# Altium PCB ALCT_MEZ_LX100.PcbDoc (part 8 of 10) (continued)
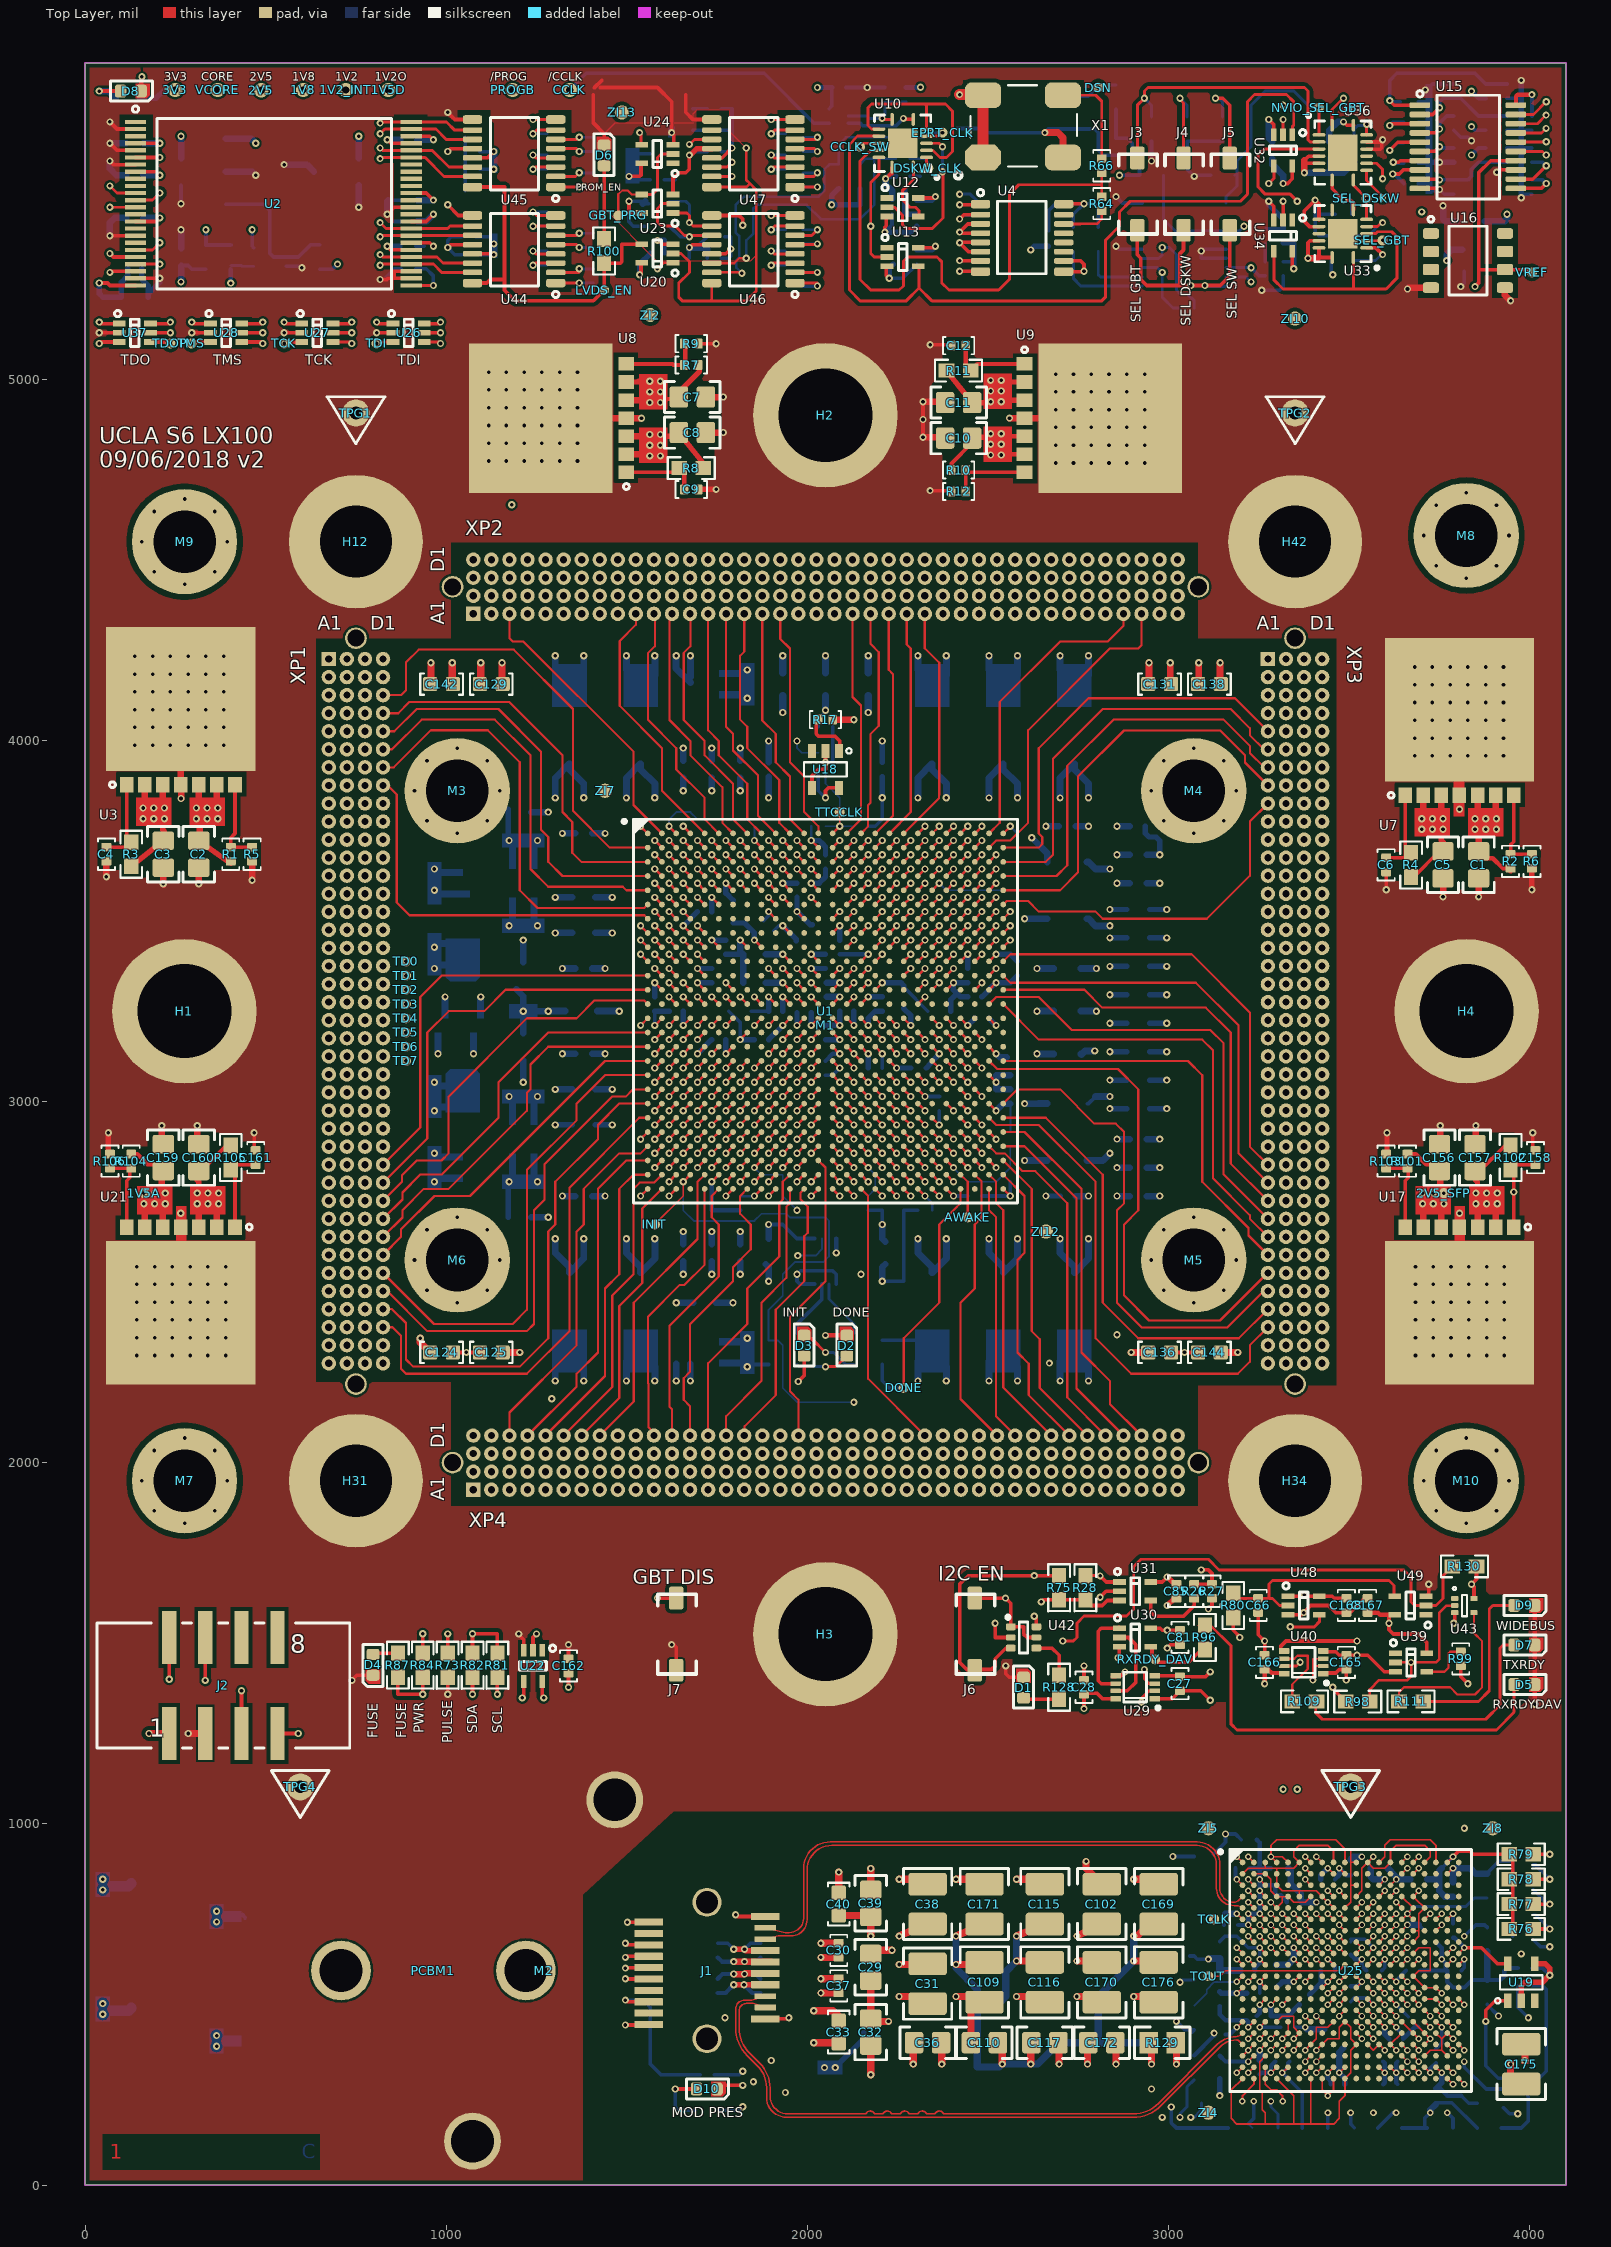
[diagram p0: Top Layer view]
## Nets (pads, with @x,y where several pads share a name; then routed paths per layer and width w, separated by ;. In a path a pad name is that pad's centre, name@x,y a point inside that pad or via, vN(x,y) a via of type N, cw(c..) or ccw(c..) an arc to the next point about the centre after c; other vN are vias at no path point) (continued)
  Mid-Layer 6 w5: XP3.B7@1375,1975 1401,2001 1401,2014.35 1400.5,2014.85 1400.5,2265.85 1626.77,2492.13 1626.77,2531.5 1715.35,2620.08 1715.35,2875.98 v1(1695.67,2895.67)
XP3B_8: U1.AB7 XP3.B8 | length 1116.3
  Top Layer w7: v1(1774.41,2895.67) U1.AB7@1794.09,2915.35
  Mid-Layer 6 w5: XP3.B8@1425,1975 1450.5,2000.5 1450.5,2237.11 1616.93,2403.54 1656.3,2403.54 1754.72,2501.97 1754.72,2875.98 v1(1774.41,2895.67)
XP3B_9: U1.AA7 XP3.B9 | length 1128.2
  Top Layer w7: v1(1774.41,2935.04) U1.AA7@1794.09,2954.72
  Mid-Layer 6 w5: XP3.B9@1475,1975 1500.5,2000.5 1500.5,2196.85 1538.19,2234.54 1538.19,2246.06 1794.09,2501.97 1794.09,2915.35 v1(1774.41,2935.04)
XP3B_10: U1.AB9 XP3.B10 | length 1087.8
  Top Layer w7: v1(1853.15,2895.67) U1.AB9@1872.83,2915.35
  Mid-Layer 6 w5: XP3.B10@1525,1975 1549.5,1999.5 1549.5,2158.95 1618.61,2228.06 1618.61,2233.83 1689.9,2305.12 1695.67,2305.12 1833.46,2442.91 1833.46,2875.98 v1(1853.15,2895.67)
XP3B_11: U1.W11 XP3.B11 | length 1369.1
  Top Layer w7: v1(1931.89,3013.78) U1.W11@1951.57,3033.46
  Mid-Layer 8 w5: XP3.B11@1575,1975 1600,2000 1600,2170.08 1616.93,2187.01 1616.93,2383.86 1656.3,2423.23 1892.52,2423.23 1931.89,2462.6 1931.89,2639.76 1951.57,2659.45 1951.57,2994.09 v1(1931.89,3013.78)
XP3B_12: U1.AA9 XP3.B12 | length 1098.7
  Top Layer w7: v1(1853.15,2935.04) U1.AA9@1872.83,2954.72
  Mid-Layer 6 w5: XP3.B12@1625,1975 1650,2000 1650,2141.34 1705.51,2196.85 1705.51,2255.91 1872.83,2423.23 1872.83,2915.35 v1(1853.15,2935.04)
XP3B_13: U1.AB6 XP3.B13 | length 994.1
  Top Layer w7: v1(1735.04,2895.67) U1.AB6@1754.72,2915.35
  Mid-Layer 4 w5: XP3.B13@1675,1975 1650,2000 1650,2125 1657.98,2132.98 1657.98,2438.83 1715.35,2496.2 1715.35,2875.98 v1(1735.04,2895.67)
XP3B_14: U1.AA11 XP3.B14 | length 1073.6
  Top Layer w7: v1(1931.89,2935.04) U1.AA11@1951.57,2954.72
  Mid-Layer 6 w5: XP3.B14@1725,1975 1750,2000 1750,2221.65 1912.2,2383.86 1912.2,2915.35 v1(1931.89,2935.04)
XP3B_15: U1.AB8 XP3.B15 | length 985.3
  Top Layer w7: v1(1813.78,2895.67) U1.AB8@1833.46,2915.35
  Mid-Layer 4 w5: XP3.B15@1775,1975 1750,2000 1750,2438.19 1794.09,2482.28 1794.09,2875.98 v1(1813.78,2895.67)
XP3B_16: U1.AD11 XP3.B16 | length 914
  Top Layer w7: v1(1931.89,2816.93) U1.AD11@1951.57,2836.61
  Mid-Layer 2 w5: XP3.B16@1825,1975 1850.5,2000.5 1850.5,2135.15 1912.2,2196.85 1912.2,2797.24 v1(1931.89,2816.93)
XP3B_17: U1.V13 XP3.B17 | length 1185.2
  Top Layer w7: v1(2010.63,3053.15) U1.V13@2030.31,3072.83
  Mid-Layer 2 w5: XP3.B17@1875,1975 1900,2000 1900,2125.59 1931.89,2157.48 1931.89,2718.5 1951.57,2738.19 1951.57,3021.93 1951.57,3033.46 1979.41,3033.46 1990.94,3033.46 v1(2010.63,3053.15)
XP3B_18: U1.AD9 XP3.B18 | length 972.4
  Top Layer w7: v1(1853.15,2816.93) U1.AD9@1872.83,2836.61
  Mid-Layer 2 w5: XP3.B18@1925,1975 1950.5,2000.5 1950.5,2678.06 v3(1971.26,2698.82)
  Bottom Layer w5: v1(1853.15,2816.93) 1872.83,2797.24 1931.89,2797.24 1931.89,2738.19 v3(1971.26,2698.82)
XP3B_19: U1.AC12 XP3.B19 | length 928.3
  Top Layer w7: v1(1971.26,2856.3) U1.AC12@1990.94,2875.98
  Mid-Layer 4 w5: v1(1971.26,2856.3) 1951.57,2836.61 1951.57,2187.01 1950,2185.43 1950,2000 XP3.B19@1975,1975
XP3B_22: U1.U12 XP3.B22 | length 1248.4
  Top Layer w7: v1(1971.26,3092.52) U1.U12@1990.94,3112.2
  Mid-Layer 4 w5: v1(1971.26,3092.52) 1990.94,3072.83 2030.32,3072.83 2050,3053.15 2050,2610.24 2030.32,2590.55 2030.32,2453.54 2100,2383.86 2100,2000 XP3.B22@2125,1975
XP3B_23: U1.U13 XP3.B23 | length 1250.5
  Top Layer w7: v1(2010.63,3092.52) U1.U13@2030.31,3112.2
  Mid-Layer 2 w5: v1(2010.63,3092.52) 2030.32,3072.83 2030.32,2669.29 2010.63,2649.61 2010.63,2442.91 2200,2253.54 2200,2000 XP3.B23@2175,1975
XP3B_24: U1.V7 XP3.B24 | length 1528
  Top Layer w7: v1(1774.41,3053.15) U1.V7@1794.09,3072.83
  Mid-Layer 10 w5: v1(1774.41,3053.15) 1754.72,3033.46 1754.72,2226.38 1774.41,2206.69 2148.43,2206.69 2199.5,2155.62 2199.5,2000.5 XP3.B24@2225,1975
XP3B_25: U1.W14 XP3.B25 | length 1204
  Top Layer w7: U1.W14@2069.68,3033.46 v1(2089.37,3013.78)
  Mid-Layer 8 w5: v1(2089.37,3013.78) 2069.68,3013.78 2050,2994.09 2050,2610.24 2030.32,2590.55 2030.32,2501.97 2109.06,2423.23 2109.06,2305.12 2250,2164.17 2250,2000 XP3.B25@2275,1975
XP3B_26: U1.V18 XP3.B26 | length 1176.3
  Top Layer w7: U1.V18@2227.17,3072.83 v1(2246.85,3053.15)
  Mid-Layer 4 w5: v1(2246.85,3053.15) 2227.17,3033.46 2227.17,2698.82 2246.85,2679.13 2246.85,2403.54 2325.59,2324.8 2325.59,2147.64 2299.5,2121.55 2299.5,2000.5 XP3.B26@2325,1975
XP3B_27: U1.W19 XP3.B27 | length 1119.5
  Top Layer w7: U1.W19@2266.54,3033.46 v1(2286.22,3013.78)
  Mid-Layer 4 w5: v1(2286.22,3013.78) 2266.72,2994.28 2266.72,2659.45 2268.22,2657.95 2268.22,2455.14 2349.5,2373.86 2349.5,2000.5 XP3.B27@2375,1975
XP3B_28: U1.AB22 XP3.B28 | length 989.5
  Top Layer w7: U1.AB22@2384.65,2915.35 v1(2404.33,2895.67)
  Mid-Layer 4 w5: v1(2404.33,2895.67) 2384.65,2875.98 2384.65,2645.53 2402.65,2627.53 2402.65,2602.08 2386.33,2585.76 2386.33,2447.43 2399.5,2434.26 2399.5,2255.91 2402.65,2252.76 2402.65,2215.78 2399.5,2212.63 2399.5,2000.5 XP3.B28@2425,1975
XP3B_29: U1.AA23 XP3.B29 | length 1015.8
  Top Layer w7: U1.AA23@2424.02,2954.72 v1(2443.7,2935.04)
  Mid-Layer 4 w5: v1(2443.7,2935.04) 2463.39,2915.35 2463.39,2482.28 2445.39,2464.28 2445.39,2292.18 2449.5,2288.07 2449.5,2000.5 XP3.B29@2475,1975
XP3B_30: U1.AA14 XP3.B30 | length 2219.5
  Top Layer w7: U1.AA14@2069.68,2954.72 v1(2089.37,2935.04)
  Mid-Layer 6 w5: XP3.B30@2525,1975 2550,1950 2550,1875 2574.61,1850.39 2923.17,1850.39 2950,1877.23 2950,2100 2774.41,2275.59 v1(2670.08,2275.59)
  Mid-Layer 10 w5: v1(2089.37,2935.04) 2069.69,2915.35 2069.69,2628.1 2156.44,2541.34 2266.54,2541.34 2296.06,2511.81 2473.23,2511.81 2670.08,2314.96 v1(2670.08,2275.59)
XP3B_31: U1.V22 XP3.B31 | length 1318.5
  Top Layer w7: U1.V22@2384.65,3072.83 v1(2404.33,3053.15)
  Mid-Layer 4 w5: v1(2404.33,3053.15) 2424.02,3033.46 2601.18,3033.46 2620.87,3013.78 2620.87,2216.54 2600,2195.67 2600,2000 XP3.B31@2575,1975
XP3B_32: U1.Y15 XP3.B32 | length 2139.9
  Top Layer w7: U1.Y15@2109.05,2994.09 v1(2128.74,2974.41)
  Mid-Layer 4 w5: XP3.B32@2625,1975 2600,1950 2600,1868.44 2618.05,1850.39 2873.96,1850.39 2900,1876.44 2900,2124.41 2857.09,2167.32 v1(2857.09,2354.33)
  Mid-Layer 8 w5: v1(2128.74,2974.41) 2148.43,2954.72 2148.43,2915.35 2591.34,2915.35 2650.39,2856.3 2650.39,2826.77 2679.92,2797.24 2679.92,2531.5 v1(2857.09,2354.33)
XP3B_33: U1.V11 XP3.B33 | length 1670.6
  Top Layer w7: v1(1931.89,3053.15) U1.V11@1951.57,3072.83
  Mid-Layer 10 w5: v1(1931.89,3053.15) 1951.57,3033.46 1951.57,2482.28 2010.63,2423.23 2266.54,2423.23 2404.33,2285.43 2551.97,2285.43 2699.61,2137.8 2699.61,1999.61 XP3.B33@2675,1975
XP3B_34: U1.V19 XP3.B34 | length 1792.1
  Top Layer w7: U1.V19@2266.54,3072.83 v1(2286.22,3053.15)
  Mid-Layer 4 w5: v1(2286.22,3053.15) 2305.91,3072.83 2660.24,3072.83 2679.92,3053.15 2679.92,2433.07 2640.55,2393.7 2640.55,2246.06 2679.92,2206.69 2679.92,2129.92 2650,2100 2650,1901 2676,1875 2700,1899 2700,1950 XP3.B34@2725,1975
XP3B_35: U1.R19 XP3.B35 | length 1711.1
  Top Layer w7: U1.R19@2266.54,3190.94 v1(2286.22,3171.26)
  Mid-Layer 4 w5: v1(2286.22,3171.26) 2305.91,3190.95 2689.76,3190.95 2799.5,3081.21 2799.5,2129.42 2799.5,1999.5 XP3.B35@2775,1975
XP3B_36: U1.L20 XP3.B36 | length 1867.8
  Top Layer w7: U1.L20@2305.91,3348.42 v1(2325.59,3368.11)
  Mid-Layer 4 w5: v1(2325.59,3368.11) 2325.96,3368.11 2345.46,3348.61 2345.46,3269.5 2364.96,3250 2542.13,3250 2561.81,3230.32 2758.66,3230.32 2817.72,3171.26 2817.72,2708.66 2837.4,2688.98 2837.4,2133.46 2850,2120.87 2850,2000 XP3.B36@2825,1975
XP3B_37: U1.AA24 XP3.B37 | length 1206
  Top Layer w7: U1.AA24@2463.39,2954.72 v1(2483.07,2935.04)
  Mid-Layer 2 w5: v1(2483.07,2935.04) 2522.44,2935.04 2571.65,2885.83 2571.65,2767.72 2601.18,2738.19 2601.18,2679.13 2630.71,2649.61 2630.71,2610.24 2914.46,2326.49 2914.46,2254.22 2899.5,2239.26 2899.5,1999.5 XP3.B37@2875,1975
XP3B_38: U1.V23 XP3.B38 | length 1882
  Top Layer w7: U1.V23@2424.02,3072.83 v1(2443.7,3053.15)
  Mid-Layer 2 w5: v1(2443.7,3053.15) 2463.39,3072.83 2551.97,3072.83 2689.76,2935.04 2689.76,2797.24 2689.76,2679.13 2719.29,2649.61 2719.29,2600.39 2985.04,2334.65 2985.04,2265.75 3129.92,2120.87 3129.92,1880.12 3110.24,1860.43 2962.6,1860.43 2950,1873.03 2950,1950 XP3.B38@2925,1975
XP3C_3: U1.AB3 XP3.C3 | length 1272.2
  Top Layer w7: v1(1616.93,2895.67) U1.AB3@1636.61,2915.35
  Mid-Layer 4 w5: XP3.C3@1175,2025 1200,2050 1200,2153.94 1301.97,2255.91 1410.24,2255.91 1479.13,2324.8 1479.13,2433.07 1557.87,2511.81 1557.87,2732.42 ; 1557.87,2836.61 1557.87,2732.42 ; v1(1616.93,2895.67) 1597.24,2875.98 1557.87,2875.98 1557.87,2732.42
XP3C_4: U1.Y3 XP3.C4 | length 1271.1
  Top Layer w7: v1(1616.93,2974.41) U1.Y3@1636.61,2994.09
  Mid-Layer 2 w5: XP3.C4@1225,2025 1250.5,2050.5 1250.5,2735.93 1272.44,2757.87 1272.44,2826.77 1439.58,2993.91 1597.43,2993.91 v1(1616.93,2974.41)
XP3C_5: U1.U5 XP3.C5 | length 1424
  Top Layer w7: v1(1695.67,3092.52) U1.U5@1715.35,3112.2
  Mid-Layer 2 w5: XP3.C5@1275,2025 1299.5,2049.5 1299.5,2135.33 1319.97,2155.8 1319.97,2267.43 1283.97,2303.43 1283.97,2655.36 1303.65,2675.05 1303.65,2806.82 1451.37,2954.54 1664.01,2954.54 1676.17,2966.7 1676.17,3073.02 v1(1695.67,3092.52)
XP3C_6: U1.AA4 XP3.C6 | length 1174
  Top Layer w7: v1(1656.3,2935.04) U1.AA4@1675.98,2954.72
  Mid-Layer 2 w5: XP3.C6@1325,2025 1350,2050 1350,2190.85 1342.02,2198.82 1342.02,2778.24 1479.13,2915.35 1636.61,2915.35 v1(1656.3,2935.04)
XP3C_7: U1.AC3 XP3.C7 | length 998.7
  Top Layer w7: v1(1616.93,2856.3) U1.AC3@1636.61,2875.98
  Mid-Layer 4 w5: XP3.C7@1375,2025 1400,2050 1400,2088.19 1518.5,2206.69 1518.5,2413.39 1597.24,2492.13 1597.24,2639.76 ; 1597.24,2679.13 1597.24,2639.76 ; v1(1616.93,2856.3) 1597.24,2836.61 1597.24,2639.76
XP3C_8: U1.AC5 XP3.C8 | length 1134.5
  Top Layer w7: v1(1695.67,2856.3) U1.AC5@1715.35,2875.98
  Mid-Layer 2 w5: XP3.C8@1425,2025 1400.5,2049.5 1400.5,2777.67 1498.63,2875.8 1676.17,2875.8 v1(1695.67,2856.3)
XP3C_9: U1.AC2 XP3.C9 | length 981.7
  Top Layer w7: v1(1577.56,2856.3) U1.AC2@1597.24,2875.98
  Mid-Layer 2 w5: XP3.C9@1475,2025 1450,2050 1450,2678.74 1420.08,2708.66 1420.08,2757.87 1518.5,2856.3 v1(1577.56,2856.3)
XP3C_10: U1.AD3 XP3.C10 | length 893.9
  Top Layer w7: v1(1616.93,2816.93) U1.AD3@1636.61,2836.61
  Mid-Layer 2 w5: XP3.C10@1525,2025 1500,2050 1500,2187.01 1518.5,2205.51 1518.5,2246.06 1500,2264.57 1500,2522.83 1548.03,2570.87 1548.03,2669.29 1577.56,2698.82 1577.56,2777.56 v1(1616.93,2816.93)
XP3C_11: U1.AD4 XP3.C11 | length 902
  Top Layer w5: v1(1656.3,2816.93) U1.AD4@1675.98,2836.61
  Top Layer w7: v1(1656.3,2816.93) U1.AD4@1675.98,2836.61
  Mid-Layer 2 w5: XP3.C11@1575,2025 1550,2050 1550,2100 1597.24,2147.24 1597.24,2314.96 1616.93,2334.65 1616.93,2452.76 1636.61,2472.44 1636.61,2797.24 v1(1656.3,2816.93)
XP3C_12: U1.AB10 XP3.C12 | length 1219.6
  Top Layer w7: v1(1892.52,2895.67) U1.AB10@1912.2,2915.35
  Mid-Layer 4 w5: XP3.C12@1625,2025 1600,2050 1600,2144.88 1557.87,2187.01 1557.87,2393.7 1675.98,2511.81 1675.98,2915.35 1872.83,2915.35 v1(1892.52,2895.67)
XP3C_13: U1.AC7 XP3.C13 | length 900.3
  Top Layer w7: v1(1774.41,2856.3) U1.AC7@1794.09,2875.98
  Mid-Layer 4 w5: XP3.C13@1675,2025 1700,2050 1700,2427.56 1754.72,2482.28 1754.72,2836.61 v1(1774.41,2856.3)
XP3C_14: U1.AD6 XP3.C14 | length 844.6
  Top Layer w7: v1(1735.04,2816.93) U1.AD6@1754.72,2836.61
  Mid-Layer 2 w5: XP3.C14@1725,2025 1700,2050 1700,2171.65 1715.35,2187.01 1715.35,2797.24 v1(1735.04,2816.93)
XP3C_15: U1.AD7 XP3.C15 | length 856.1
  Top Layer w7: v1(1774.41,2816.93) U1.AD7@1794.09,2836.61
  Mid-Layer 2 w5: v1(1774.41,2816.93) 1754.72,2797.24 1754.72,2769.4 1754.72,2698.82 1774.41,2679.13 1774.41,2187.01 1750.5,2163.1 1750.5,2049.5 XP3.C15@1775,2025
XP3C_16: U1.AD8 XP3.C16 | length 884.8
  Top Layer w7: v1(1813.78,2816.93) U1.AD8@1833.46,2836.61
  Mid-Layer 2 w5: v1(1813.78,2816.93) 1794.09,2797.24 1794.09,2785.71 1794.09,2757.87 1853.15,2698.82 1853.15,2178.15 1800,2125 1800,2050 XP3.C16@1825,2025
XP3C_19: U1.AD12 XP3.C19 | length 842
  Top Layer w7: v1(1971.26,2816.93) U1.AD12@1990.94,2836.61
  Mid-Layer 2 w5: v1(1971.26,2816.93) 1990.94,2797.25 1990.94,2785.71 1990.95,2233.8 2000,2224.75 2000,2050 XP3.C19@1975,2025
XP3C_22: U1.U7 XP3.C22 | length 1501.8
  Top Layer w7: v1(1774.41,3092.52) U1.U7@1794.09,3112.2
  Mid-Layer 10 w5: v1(1774.41,3092.52) 1754.72,3072.83 1715.35,3072.83 1715.35,2698.82 1717.04,2697.14 1717.04,2185.32 1754.72,2147.64 2077.82,2147.64 2100,2125.46 2100,2050 XP3.C22@2125,2025
XP3C_25: U1.J17 XP3.C25 | length 1693.6
  Top Layer w7: U1.J17@2187.8,3427.16 v1(2207.48,3446.85)
  Mid-Layer 2 w5: v1(2207.48,3446.85) 2187.8,3427.17 2069.69,3427.17 2050,3407.48 2050,2649.61 2030.32,2629.92 2030.32,2472.44 2248.54,2254.22 2248.54,2139.26 2250,2137.8 2250,2050 XP3.C25@2275,2025
XP3C_26: U1.V14 XP3.C26 | length 1176.7
  Top Layer w7: U1.V14@2069.68,3072.83 v1(2089.37,3053.15)
  Mid-Layer 2 w5: v1(2089.37,3053.15) 2069.87,3033.65 2069.87,2629.92 2061.53,2621.58 2061.53,2490.44 2287.91,2264.06 2287.91,2174 2300.5,2161.41 2300.5,2049.5 XP3.C26@2325,2025
XP3C_27: U1.AA15 XP3.C27 | length 1056.2
  Top Layer w7: U1.AA15@2109.05,2954.72 v1(2128.74,2935.04)
  Mid-Layer 2 w5: v1(2128.74,2935.04) 2109.06,2915.35 2109.06,2887.51 2109.06,2492.13 2350,2251.18 2350,2050 XP3.C27@2375,2025
XP3C_28: U1.AA12 XP3.C28 | length 1287.3
  Top Layer w7: v1(1971.26,2935.04) U1.AA12@1990.94,2954.72
  Mid-Layer 6 w5: v1(1971.26,2935.04) 1990.95,2915.35 1990.95,2265.75 2030.32,2226.38 2187.8,2226.38 2266.54,2147.64 2384.65,2147.64 2400,2132.28 2400,2050 XP3.C28@2425,2025
XP3C_29: U1.Y22 XP3.C29 | length 1229.7
  Top Layer w7: U1.Y22@2384.65,2994.09 v1(2404.33,2974.41)
  Mid-Layer 4 w5: v1(2404.33,2974.41) 2424.02,2994.09 2483.07,2994.09 2561.81,2994.09 2581.5,2974.41 2581.5,2645.53 2563.5,2627.53 2563.5,2602.08 2581.5,2584.08 2581.5,2275.59 2551.97,2246.06 2551.97,2216.54 2500,2164.57 2500,2050 XP3.C29@2475,2025
XP3C_30: U1.R18 XP3.C30 | length 1325.9
  Top Layer w7: U1.R18@2227.17,3190.94 v1(2246.85,3171.26)
  Mid-Layer 2 w5: v1(2246.85,3171.26) 2227.17,3151.57 2227.17,2594.62 2549.5,2272.29 2549.5,2049.5 XP3.C30@2525,2025
XP3C_31: U1.W18 XP3.C31 | length 1172.8
  Top Layer w7: U1.W18@2227.17,3033.46 v1(2246.85,3013.78)
  Mid-Layer 2 w5: v1(2246.85,3013.78) 2266.54,2994.09 2266.54,2618.39 2599.5,2285.43 2599.5,2049.5 XP3.C31@2575,2025
XP3C_32: U1.AB21 XP3.C32 | length 1042.7
  Top Layer w7: U1.AB21@2345.28,2915.35 v1(2364.96,2895.67)
  Mid-Layer 2 w5: v1(2364.96,2895.67) 2345.46,2876.17 2345.46,2633.81 2649.5,2329.77 2649.5,2049.5 XP3.C32@2625,2025
XP3C_33: U1.U21 XP3.C33 | length 1258.9
  Top Layer w7: U1.U21@2345.28,3112.2 v1(2364.96,3092.52)
  Mid-Layer 2 w5: v1(2364.96,3092.52) 2384.65,3072.83 2384.65,2657.81 2699.5,2342.95 2699.5,2275.48 2681.61,2257.59 2681.61,2174 2699.5,2156.11 2699.5,2049.5 XP3.C33@2675,2025
XP3C_34: U1.V17 XP3.C34 | length 1677.8
  Top Layer w7: U1.V17@2187.8,3072.83 v1(2207.48,3053.15)
  Mid-Layer 4 w5: v1(2207.48,3053.15) 2207.48,3092.52 2227.17,3112.2 2679.92,3112.2 2719.29,3072.83 2719.29,2295.28 2729.13,2285.43 2729.13,2157.48 2700,2128.35 2700,2050 XP3.C34@2725,2025
XP3C_35: U1.U22 XP3.C35 | length 1249.7
  Top Layer w7: U1.U22@2384.65,3112.2 v1(2404.33,3092.52)
  Mid-Layer 2 w5: v1(2404.33,3092.52) 2404.33,3079.31 2410.99,3072.65 2412.41,3072.65 2424.02,3061.04 2424.02,2757.87 2463.39,2718.5 2463.39,2620.08 2749.5,2333.97 2749.5,2050.5 XP3.C35@2775,2025
XP3C_36: U1.AC24 XP3.C36 | length 1000.8
  Top Layer w7: U1.AC24@2463.39,2875.98 v1(2483.07,2856.3)
  Mid-Layer 2 w5: v1(2483.07,2856.3) 2502.76,2836.61 2502.76,2649.61 2800.5,2351.86 2800.5,2049.5 XP3.C36@2825,2025
XP3C_37: U1.AB24 XP3.C37 | length 1060.9
  Top Layer w7: U1.AB24@2463.39,2915.35 v1(2483.07,2895.67)
  Mid-Layer 2 w5: v1(2483.07,2895.67) 2542.31,2836.43 2542.31,2688.79 2601.18,2629.92 2601.18,2590.55 2827.56,2364.17 2827.56,2346.74 2849.5,2324.8 2849.5,2050.5 XP3.C37@2875,2025
XP3C_38: U1.W24 XP3.C38 | length 1258.6
  Top Layer w7: U1.W24@2463.39,3033.46 v1(2483.07,3013.78)
  Mid-Layer 2 w5: v1(2483.07,3013.78) 2542.13,3013.78 2642.24,2913.67 2642.24,2716.82 2660.24,2698.82 2660.24,2620.08 2954.34,2325.98 2954.34,2178.34 2950,2174 2950,2050 XP3.C38@2925,2025
XP3D_3: U1.AC1 XP3.D3 | length 994.2
  Top Layer w6: XP3.D3@1175,2075 1175,2138.78 1361.02,2324.8 1361.02,2639.76 1380.71,2659.45 1380.71,2757.87 1479.13,2856.3 1538.19,2856.3 U1.AC1@1557.87,2875.98
XP3D_4: U1.AD1 XP3.D4 | length 934.1
  Top Layer w6: XP3.D4@1225,2075 1361.02,2211.02 1361.02,2246.06 1420.08,2305.12 1420.08,2757.87 1498.82,2836.61 U1.AD1@1557.87,2836.61
XP3D_5: U1.AE1 XP3.D5 | length 862.5
  Top Layer w6: XP3.D5@1275,2075 1439.76,2239.76 1439.76,2482.28 1479.13,2521.65 1479.13,2757.87 1518.5,2797.24 U1.AE1@1557.87,2797.24
XP3D_6: U1.AE2 XP3.D6 | length 858.3
  Top Layer w6: XP3.D6@1325,2075 1459.45,2209.45 1459.45,2462.6 1518.5,2521.65 1518.5,2729.59 1518.19,2729.9 1518.19,2757.56 1535.88,2775.25 1575.25,2775.25 U1.AE2@1597.24,2797.24
XP3D_7: U1.AF2 XP3.D7 | length 774.9
  Top Layer w6: XP3.D7@1375,2075 1479.13,2179.13 1479.13,2433.61 1542.84,2497.31 1542.84,2703.47 U1.AF2@1597.24,2757.87
XP3D_8: U1.AE5 XP3.D8 | length 842.5
  Top Layer w6: XP3.D8@1425,2075 1519.19,2169.19 1519.19,2442.91 1695.67,2619.39 1695.67,2777.56 U1.AE5@1715.35,2797.24
XP3D_9: U1.AC4 XP3.D9 | length 924.6
  Top Layer w7: v1(1656.3,2856.3) U1.AC4@1675.98,2875.98
  Mid-Layer 2 w5: XP3.D9@1475,2075 1475,2743.9 1567.72,2836.61 1636.61,2836.61 v1(1656.3,2856.3)
XP3D_10: U1.AE3 XP3.D10 | length 776.6
  Top Layer w7: v1(1616.93,2777.56) U1.AE3@1636.61,2797.24
  Mid-Layer 2 w5: XP3.D10@1525,2075 1525,2144.29 1548.03,2167.32 1548.03,2511.81 1607.09,2570.87 1607.09,2698.82 1597.24,2708.66 1597.24,2757.87 v1(1616.93,2777.56)
XP3D_11: U1.AF5 XP3.D11 | length 762
  Top Layer w6: XP3.D11@1575,2075 1575,2083.01 1559.56,2098.45 1559.56,2218.22 1559.06,2218.72 1559.06,2404.73 1646.46,2492.13 1659.66,2492.13 1715.35,2547.82 U1.AF5@1715.35,2757.87
XP3D_12: U1.AF6 XP3.D12 | length 758.6
  Top Layer w6: XP3.D12@1625,2075 1625,2147.64 1618.11,2154.52 1618.11,2378.57 1754.72,2515.18 1754.72,2659.45 1735.04,2679.13 1735.04,2738.19 U1.AF6@1754.72,2757.87
XP3D_13: U1.AF8 XP3.D13 | length 787.5
  Top Layer w6: XP3.D13@1675,2075 1675,2156.48 1657.48,2174 1657.48,2234.04 1675,2251.56 1675,2382.87 1794.09,2501.97 1794.09,2541.34 1843.31,2590.55 1843.31,2659.45 1813.78,2688.98 1813.78,2738.19 U1.AF8@1833.46,2757.87
XP3D_14: U1.AE11 XP3.D14 | length 816.1
  Top Layer w6: XP3.D14@1725,2075 1725,2275.39 1833.46,2383.86 1833.46,2482.28 1922.05,2570.87 1922.05,2718.5 1931.89,2728.35 1931.89,2777.56 U1.AE11@1951.57,2797.24
XP3D_15: U1.AF11 XP3.D15 | length 756.8
  Top Layer w6: XP3.D15@1774.41,2075.59 XP3.D15@1775,2075 1775,2128.54 1872.83,2226.38 1872.83,2442.91 1941.73,2511.81 1941.73,2708.66 1951.57,2718.5 U1.AF11@1951.57,2757.87
XP3D_16: U1.AF12 XP3.D16 | length 767.9
  Top Layer w6: XP3.D16@1825,2075 1826.2,2076.2 1826.2,2101 1912.2,2187.01 1912.2,2423.23 1991.45,2502.47 1991.45,2626.76 2000.79,2636.11 2000.79,2708.66 1981.1,2728.35 1981.1,2748.03 U1.AF12@1990.94,2757.87
XP3D_19: U1.AD13 XP3.D19 | length 820.2
  Top Layer w6: XP3.D19@1975,2075 1975,2174 1951.57,2197.43 1951.57,2403.54 2050,2501.97 2050,2816.93 U1.AD13@2030.31,2836.61
XP3D_25: U1.U15 XP3.D25 | length 1148.4
  Top Layer w7: U1.U15@2109.05,3112.2 v1(2128.74,3092.52)
  Mid-Layer 4 w5: v1(2128.74,3092.52) 2187.8,3092.52 2187.8,2689.16 2187.98,2688.98 2187.98,2580.22 2225.48,2542.72 2225.48,2346.17 2284.54,2287.12 2284.54,2157.17 2275,2147.64 XP3.D25@2275,2075
XP3D_26: U1.AF16 XP3.D26 | length 756
  Top Layer w6: U1.AF16@2148.43,2757.87 2168.11,2738.19 2168.11,2231.89 XP3.D26@2325,2075
XP3D_27: U1.V20 XP3.D27 | length 1064.6
  Top Layer w7: U1.V20@2305.91,3072.83 v1(2325.59,3053.15)
  Mid-Layer 4 w5: v1(2325.59,3053.15) 2306.09,3033.65 2306.09,2982.49 2306.09,2645.72 2287.91,2627.53 2287.91,2602.08 2307.59,2582.39 2307.59,2480.6 2375,2413.19 2375,2242.19 2366.65,2233.83 2366.65,2210.57 2375,2202.21 XP3.D27@2375,2075
XP3D_28: U1.AC23 XP3.D28 | length 817.5
  Top Layer w7: U1.AC23@2424.02,2875.98 v1(2443.7,2856.3)
  Mid-Layer 4 w5: XP3.D28@2425,2075 2425,2670.26 2424.2,2671.06 2424.2,2687.21 2424.2,2836.8 v1(2443.7,2856.3)
XP3D_29: U1.Y20 XP3.D29 | length 1157.7
  Top Layer w7: U1.Y20@2305.91,2994.09 v1(2325.59,2974.41)
  Mid-Layer 4 w5: v1(2325.59,2974.41) 2345.28,2954.72 2512.6,2954.72 2542.13,2925.2 2542.13,2797.24 2522.44,2777.56 2522.44,2677.45 2540.44,2659.45 2540.44,2441.23 2475,2375.79 XP3.D29@2475,2075
XP3D_30: U1.AE24 XP3.D30 | length 802.2
  Top Layer w6: U1.AE24@2463.39,2797.24 2481.89,2778.74 2481.89,2677.95 2463.39,2659.45 2463.39,2482.28 2424.02,2442.91 2424.02,2175.98 2513.98,2086.02 2525,2086.02 XP3.D30@2525,2075
XP3D_31: U1.AF25 XP3.D31 | length 712.8
  Top Layer w6: U1.AF25@2502.76,2757.87 2502.76,2698.82 2522.44,2679.13 2522.44,2127.56 XP3.D31@2575,2075
XP3D_32: U1.T19 XP3.D32 | length 1225.1
  Top Layer w7: U1.T19@2266.54,3151.57 v1(2286.22,3131.89)
  Mid-Layer 2 w5: v1(2286.22,3131.89) 2305.91,3112.2 2305.91,2645.53 2323.91,2627.53 2323.91,2602.08 2625,2300.98 XP3.D32@2625,2075
XP3D_33: U1.AE25 XP3.D33 | length 793.6
  Top Layer w6: U1.AE25@2502.76,2797.24 2522.44,2777.56 2522.44,2718.5 2542.13,2698.82 2542.13,2207.87 XP3.D33@2675,2075
XP3D_34: U1.AE26 XP3.D34 | length 814.3
  Top Layer w6: U1.AE26@2542.13,2797.24 2601.18,2738.19 2601.18,2580.71 2581.5,2561.02 2581.5,2305.12 2612.99,2273.62 2612.99,2187.01 XP3.D34@2725,2075
XP3D_35: U1.AD26 XP3.D35 | length 858.1
  Top Layer w6: U1.AD26@2542.13,2836.61 2620.87,2757.87 2620.87,2364.17 2643.31,2341.73 2643.31,2206.69 XP3.D35@2775,2075
XP3D_36: U1.AC25 XP3.D36 | length 969.1
  Top Layer w6: U1.AC25@2502.76,2875.98 2522.44,2856.3 2546.3,2856.3 2595.52,2807.09 2630.71,2807.09 2719.29,2718.5 2719.29,2180.71 XP3.D36@2825,2075
XP3D_37: U1.AC26 XP3.D37 | length 973.5
  Top Layer w6: U1.AC26@2542.13,2875.98 2601.18,2875.98 2744.81,2732.35 2744.81,2205.19 XP3.D37@2875,2075
XP3D_38: U1.AB26 XP3.D38 | length 1033.5
  Top Layer w6: U1.AB26@2542.13,2915.35 2601.18,2915.35 2758.66,2757.87 2758.66,2305.12 2837.4,2226.38 2837.4,2162.6 XP3.D38@2925,2075
XP4A_3: U1.H16 XP4.A3 | length 1681.2
  Top Layer w7: U1.H16@2148.43,3466.54 v1(2168.11,3486.22)
  Mid-Layer 6 w5: v1(2168.11,3486.22) 2187.8,3466.54 2424.02,3466.54 2424.02,3505.91 2571.65,3505.91 2591.34,3525.59 2696.42,3525.59 2758.66,3587.83 2758.66,3958.66 2955.51,4155.51 3172.05,4155.51 3202.56,4125 XP4.A3@3275,4125
XP4A_4: U1.J20 XP4.A4 | length 1501.7
  Top Layer w7: U1.J20@2305.91,3427.16 v1(2325.59,3446.85)
  Mid-Layer 6 w5: v1(2325.59,3446.85) 2345.28,3427.17 2729.13,3427.17 2815.46,3513.5 2854.83,3513.5 2876.77,3535.43 2876.77,3958.66 2976.29,4058.18 3208.18,4058.18 3225,4075 XP4.A4@3275,4075
XP4A_5: U1.B26 XP4.A5 | length 1111.4
  Top Layer w6: U1.B26@2542.13,3702.76 2640.55,3702.76 2650.39,3712.6 2650.39,3732.28 2640.55,3742.13 2640.55,3978.35 2778.35,4116.14 3183.86,4116.14 XP4.A5@3275,4025
XP4A_6: U1.C26 XP4.A6 | length 1121.6
  Top Layer w6: U1.C26@2542.13,3663.39 2660.24,3663.39 2679.92,3683.07 2679.92,3948.82 2817.72,4086.61 3172.05,4086.61 3225,4033.66 3225,4013.98 3263.98,3975 XP4.A6@3275,3975
XP4A_7: U1.D26 XP4.A7 | length 1139.9
  Top Layer w6: U1.D26@2542.13,3624.02 2689.76,3624.02 2719.29,3653.54 2719.29,3929.13 2847.24,4057.09 3152.36,4057.09 3225,3984.45 3225,3964.76 3264.76,3925 XP4.A7@3275,3925
XP4A_8: U1.E26 XP4.A8 | length 1146.6
  Top Layer w6: U1.E26@2542.13,3584.65 2699.61,3584.65 2748.82,3633.86 2748.82,3899.61 2876.38,4027.17 3142.91,4027.17 3211.42,3958.66 3211.42,3938.58 XP4.A8@3275,3875
XP4A_9: U1.F26 XP4.A9 | length 977.4
  Top Layer w6: U1.F26@2542.13,3545.28 2551.97,3555.12 2611.02,3555.12 2640.55,3525.59 2798.03,3525.59 2817.72,3505.91 3105.91,3505.91 3225,3625 3225,3775 XP4.A9@3275,3825
XP4A_29: U1.K26 XP4.A29 | length 1199.8
  Top Layer w6: U1.K26@2542.13,3387.79 2561.81,3407.48 3063.78,3407.48 3225,3246.26 3225,2875 XP4.A29@3275,2825
XP4A_30: U1.L26 XP4.A30 | length 1178
  Top Layer w6: U1.L26@2542.13,3348.42 2561.81,3328.74 3075.59,3328.74 3193.7,3210.63 3193.7,2856.3 XP4.A30@3275,2775
XP4A_31: U1.M26 XP4.A31 | length 1187.4
  Top Layer w6: U1.M26@2542.13,3309.05 2767.11,3309.05 2816.32,3259.84 3103.15,3259.84 3172.05,3190.95 3172.05,2827.95 XP4.A31@3275,2725
XP4A_32: U1.N25 XP4.A32 | length 1248
  Top Layer w6: U1.N25@2502.76,3269.68 2522.44,3289.37 2640.55,3289.37 2731.89,3198.04 3115.74,3198.04 3152.36,3161.42 3152.36,2797.64 XP4.A32@3275,2675
XP4A_33: U1.N26 XP4.A33 | length 1213.5
  Top Layer w6: U1.N26@2542.13,3269.68 2640.55,3171.26 3093.31,3171.26 3122.83,3141.73 3122.83,2787.4 3225,2685.24 3225,2675 XP4.A33@3275,2625
XP4A_34: U1.U26 XP4.A34 | length 1140.8
  Top Layer w6: U1.U26@2542.13,3112.2 2542.44,3111.89 2699.29,3111.89 2699.61,3112.2 3053.94,3112.2 3093.31,3072.83 3093.31,2777.56 3221.26,2649.61 3221.26,2628.74 XP4.A34@3275,2575
XP4A_35: U1.U25 XP4.A35 | length 1514.3
  Top Layer w6: U1.U25@2502.76,3112.2 2525.25,3089.71 2859.9,3089.71 2916.14,3033.46 2916.14,2698.82 2876.77,2659.45 2876.77,2462.6 2945.67,2393.7 3142.52,2393.7 3273.82,2525 XP4.A35@3275,2525
XP4A_36: U1.Y26 XP4.A36 | length 1368.8
  Top Layer w6: U1.Y26@2542.13,2994.09 2581.5,3033.46 2699.61,3033.46 2794.49,2938.58 2853.54,2938.58 2876.77,2915.35 2876.77,2718.5 2857.09,2698.82 2857.09,2442.91 2925.98,2374.02 3162.2,2374.02 3263.19,2475 XP4.A36@3275,2475
XP4A_37: U1.AA26 XP4.A37 | length 1226.6
  Top Layer w6: U1.AA26@2542.13,2954.72 2660.24,2954.72 2817.72,2797.24 2817.72,2442.91 2916.14,2344.49 3194.49,2344.49 XP4.A37@3275,2425
XP4A_38: U1.AA25 XP4.A38 | length 1399.6
  Top Layer w6: U1.AA25@2502.76,2954.72 2522.44,2935.04 2640.55,2935.04 2798.03,2777.56 2798.03,2344.49 2896.46,2246.06 3191.73,2246.06 3225,2279.33 3225,2325 XP4.A38@3275,2375
XP4B_3: U1.J24 XP4.B3 | length 1362.4
  Top Layer w7: U1.J24@2463.39,3427.16 v1(2483.07,3446.85)
  Mid-Layer 6 w5: v1(2483.07,3446.85) 2502.76,3466.54 2679.92,3466.54 2817.72,3604.33 2817.72,3942.2 2991.65,4116.14 3152.36,4116.14 3168.82,4099.69 3249.81,4099.69 3250,4099.5 3299.5,4099.5 XP4.B3@3325,4125
XP4B_4: U1.K19 XP4.B4 | length 1621.6
  Top Layer w7: U1.K19@2266.54,3387.79 v1(2286.22,3407.48)
  Mid-Layer 6 w5: v1(2286.22,3407.48) 2305.72,3387.98 2305.72,3387.61 2601,3387.61 2601.18,3387.8 2811.95,3387.8 2906.3,3482.15 2906.3,3929.13 2994.88,4017.72 3218.22,4017.72 3250,4049.5 3299.5,4049.5 XP4.B4@3325,4075
XP4B_5: U1.C25 XP4.B5 | length 1089.3
  Top Layer w7: U1.C25@2502.76,3663.39 v1(2522.44,3683.07)
  Mid-Layer 2 w5: v1(2522.44,3683.07) 2522.44,3771.65 2551.97,3801.18 2591.34,3801.18 2635.77,3845.61 2635.77,3870.08 2852.31,4086.61 3132.68,4086.61 3169.29,4050 3300,4050 XP4.B5@3325,4025
XP4B_6: U1.C24 XP4.B6 | length 1087.5
  Top Layer w7: U1.C24@2463.39,3663.39 v1(2483.07,3683.07)
  Mid-Layer 2 w5: v1(2483.07,3683.07) 2502.76,3663.39 2542.13,3663.39 2571.65,3692.91 2571.65,3742.13 2866.93,4037.4 3124.3,4037.4 3162.2,3999.5 3300.5,3999.5 XP4.B6@3325,3975
XP4B_7: U1.E25 XP4.B7 | length 1052.6
  Top Layer w7: U1.E25@2502.76,3584.65 v1(2522.44,3604.33)
  Mid-Layer 2 w5: v1(2522.44,3604.33) 2581.5,3604.33 2857.09,3879.92 2857.09,3929.13 2925.98,3998.03 3132.68,3998.03 3181.21,3949.5 3300.5,3949.5 XP4.B7@3325,3925
XP4B_8: U1.F24 XP4.B8 | length 1089.7
  Top Layer w7: U1.F24@2463.39,3545.28 v1(2483.07,3564.96)
  Mid-Layer 2 w5: v1(2483.07,3564.96) 2502.76,3545.28 2660.24,3545.28 2729.13,3614.17 2827.56,3614.17 2837.4,3614.17 2857.09,3633.86 3162.2,3633.86 3221.26,3692.91 3221.26,3820.87 3250,3849.61 3250,3850 3300,3850 XP4.B8@3325,3875
XP4B_29: U1.N20 XP4.B29 | length 1420.9
  Top Layer w7: U1.N20@2305.91,3269.68 v1(2325.59,3289.37)
  Mid-Layer 2 w5: v1(2325.59,3289.37) 2345.28,3309.06 2581.5,3309.06 2601.18,3328.74 3034.25,3328.74 3122.83,3240.16 3122.83,3141.73 3211.42,3053.15 3211.42,2863.58 3225,2850 3300,2850 XP4.B29@3325,2825
XP4B_30: U1.P21 XP4.B30 | length 1435.4
  Top Layer w7: U1.P21@2345.28,3230.31 v1(2364.96,3210.63)
  Mid-Layer 2 w5: v1(2364.96,3210.63) 2364.96,3269.69 2384.65,3289.37 2807.87,3289.37 2827.56,3269.69 2935.83,3269.69 2955.51,3250 3044.09,3250 3103.15,3190.94 3103.15,3102.36 3191.73,3013.78 3191.73,2816.93 3208.66,2800 3300,2800 XP4.B30@3325,2775